# Altium PCB AUAV_X05.PcbDoc (part 3 of 5)
Units mm, origin at the board's own origin, x right, y up, seen from the top; angles counter-clockwise.
Board outline 44.99 x 99.99 mm, 4 copper layers (Top Layer, Int1 Layer, Int2 Layer, Bottom Layer), stack 1.587 mm thick; 376 components, 270 nets, 1466 pads, 1242 vias.
Unrouted connection lines stored in the file: 2.
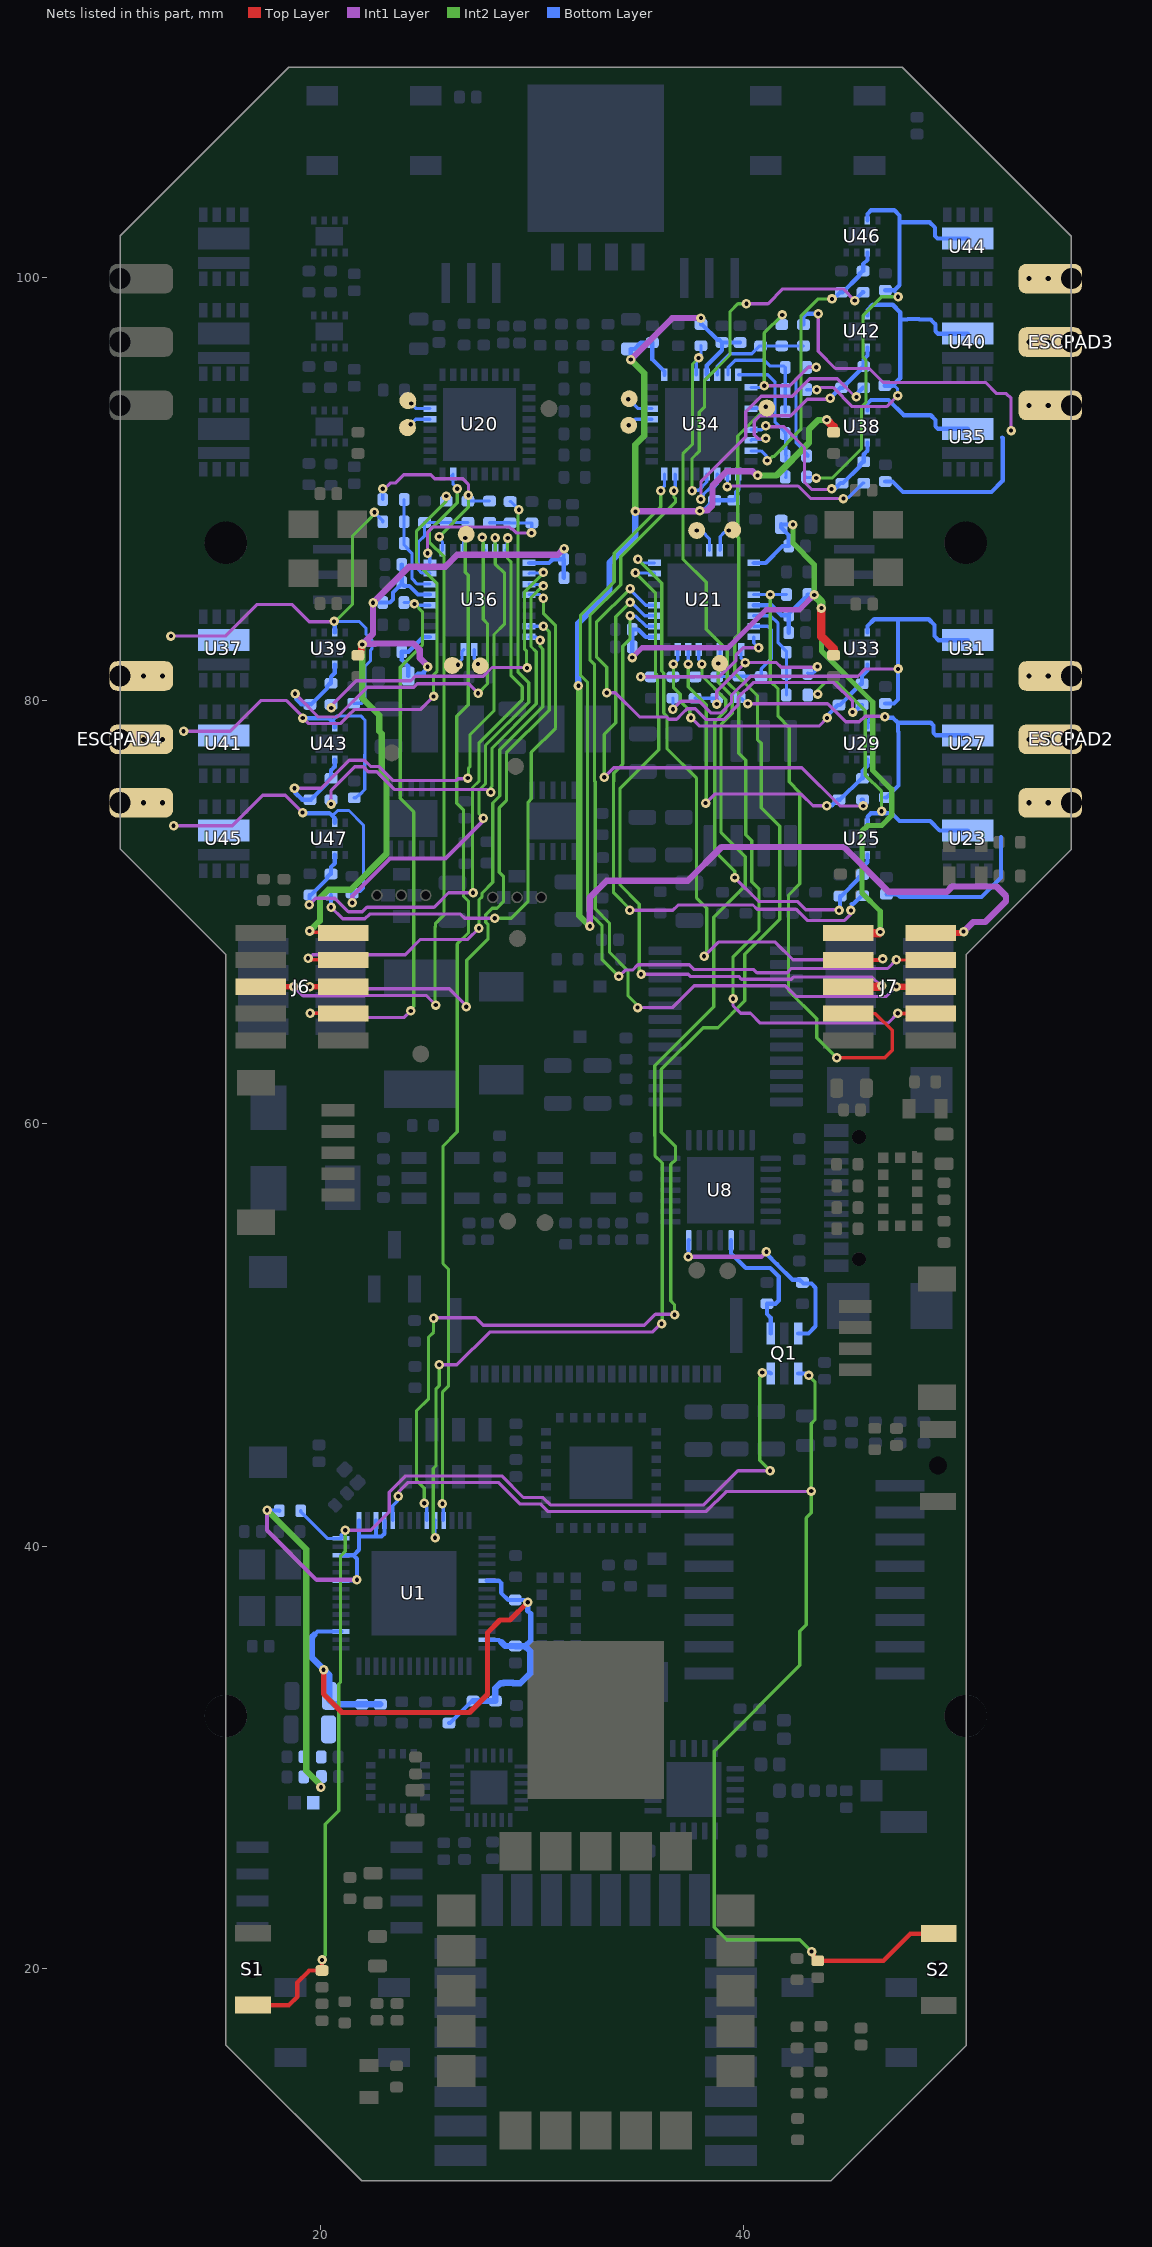
[diagram p5: the nets of this part, all layers, seen from the top]

## Via types
v1: diameter 0.45, hole 0.2, Top Layer to Bottom Layer, tented both sides, 1213 vias
v2: diameter 0.5, hole 0.25, Top Layer to Bottom Layer, 24 vias
v3: diameter 0.45, hole 0.2, Top Layer to Bottom Layer, 5 vias

## Nets (pads, with @x,y where several pads share a name; then routed paths per layer and width w, separated by ;. In a path a pad name is that pad's centre, name@x,y a point inside that pad or via, vN(x,y) a via of type N, cw(c..) or ccw(c..) an arc to the next point about the centre after c; other vN are vias at no path point) (continued)
ESC1_STM_SWDIO: J6.5 U20.23 | length 35
  Top Layer w0.25: J6.5@17.175,66.463 17.177,66.466 v1(18.744,66.466)
  Int1 Layer w0.153: v1(18.744,66.466) 19.173,66.037 22.08,66.037 22.093,66.05 25.001,66.05 v1(25.453,65.598)
  Int2 Layer w0.153: v1(25.453,65.598) 25.425,65.626 25.425,69.307 25.446,69.328 25.446,69.463 25.851,69.868 25.851,86.799 25.15,87.5 25.15,88.025 26.475,89.35 v1(26.475,90.025)
  Bottom Layer w0.153: U20.23@26.199,90.638 U20.23@26.275,90.713 26.275,90.225 v1(26.475,90.025)
ESC1_STM_UARTRX: TP14.1 U20.30 | length 1
  Bottom Layer w0.153: v1(24.3,94.05) 24.536,93.814 U20.30@25.175,93.814
ESC1_STM_UARTTX: TP12.1 U20.29 | length 1
  Bottom Layer w0.153: v1(24.275,93.075) 24.514,93.314 U20.29@25.175,93.314
ESC2_3V3: C103.P$1 C104.P$1 C105.P$1 C106.P$1 C107.P$1 C108.P$1 J7.2 R111.P$2 R119.P$1 U34.1 U34.5 U34.17 | length 83.7
  Top Layer w0.3: J7.2@48.875,69.003 50.326,69.003 50.398,69.075 v1(50.425,69.075)
  Top Layer w0.4: v1(43.95,93.275) 44.275,92.95 R119.P$1@44.275,92.7
  Int1 Layer w0.3: v1(32.747,69.322) 32.747,70.682 33.542,71.477 37.377,71.477 38.975,73.075 44.76,73.075 44.917,72.918 46.871,70.963 49.639,70.963 49.878,71.202 51.982,71.202 52.43,70.754 52.43,70.505 51.45,69.525 50.875,69.525 v1(50.425,69.075) ; v1(34.675,96.134) 36.638,98.096 v1(38,98.096) ; v1(34.9,88.95) 34.912,88.962 37.931,88.962 37.962,88.994 38.294,88.994 38.55,89.25 38.55,90.172 39.228,90.85 40.437,90.85 40.637,90.65 v1(40.677,90.65)
  Int2 Layer w0.3: v1(32.204,80.7) 32.233,80.671 32.233,80.565 32.25,80.548 32.25,69.818 v1(32.747,69.322) ; v1(34.675,96.134) 35.325,95.484 35.325,92.525 34.9,92.1 v1(34.9,88.95) ; v1(40.677,90.65) 41.575,90.65 43.115,92.19 43.115,92.835 43.555,93.275 v1(43.95,93.275)
  Bottom Layer w0.2: v1(34.675,96.134) C103.P$1@34.675,96.638 34.856,96.638 35.156,96.939 C107.P$1@35.7,96.939 35.7,96.14 36.275,95.566 U34.1@36.275,95.413 ; v1(38,98.096) R111.P$2@38,97.796 38.051,97.796 38.772,97.076 38.863,97.076 C105.P$1@39,96.939 ; v1@38.137,89.013 38.599,89.475 C104.P$1@38.65,89.475 C108.P$1@39.55,89.475 39.667,89.592 39.667,89.867 39.776,89.976 U34.17@39.776,90.713 ; U34.5@38.275,95.413 38.275,95.85 39,96.575 C105.P$1@39,96.939 ; C106.P$1@39.85,96.939 C105.P$1@39,96.939
  Bottom Layer w0.3: v1(32.204,80.7) 32.204,83.654 32.675,84.125 33.675,85.125 33.675,86.525 34.9,87.75 v1(34.9,88.95)
  other v1: 37.943,88.975
ESC2_COM: R136.P$1 R137.P$1 R140.P$1 U34.9 | length 12.1
  Int1 Layer w0.153: v1(41,94.9) 42.2,94.9 43.075,95.775 v1(43.454,95.775)
  Int2 Layer w0.153: v1(41,94.9) 41,97.392 41.848,98.24 v1(41.848,98.242)
  Bottom Layer w0.153: U34.9@40.375,94.814 v1@40.847,94.814 ; R140.P$1@43,91.575 43.007,91.568 43.05,91.568 R140.P$1@43.07,91.549 ; R140.P$1@43.05,91.588 43.05,91.639 42.5,92.19 42.5,95.212 43.057,95.769 43.449,95.769 v1(43.454,95.775)
ESC2_HIPWM1: R117.P$1 U34.18 | length 7.6
  Int1 Layer w0.153: v1(39.25,90.126) 39.276,90.152 42.598,90.152 43.191,89.559 v1(44.743,89.559)
  Bottom Layer w0.153: v1(39.25,90.126) 39.263,90.139 39.263,90.701 U34.18@39.276,90.713 ; v1(44.743,89.559) 44.791,89.607 44.968,89.607 45.649,90.289 R117.P$1@45.7,90.289
ESC2_HIPWM2: R123.P$1 U34.19 | length 13.5
  Int1 Layer w0.153: v1(37.993,89.525) 38.008,89.54 38.008,90.369 40.125,92.486 40.125,93.675 40.85,94.4 42.325,94.4 43.15,95.225 44.45,95.225 45.312,94.363 v1(45.355,94.363)
  Bottom Layer w0.153: v1(37.993,89.525) 37.993,89.592 38.116,89.715 38.116,89.749 38.442,90.075 38.6,90.075 38.775,90.25 U34.19@38.775,90.713
  Bottom Layer w0.2: v1(45.355,94.363) 45.403,94.411 45.403,94.539 45.664,94.8 R123.P$1@45.7,94.8
ESC2_HIPWM3: R133.P$1 U34.20 | length 17.6
  Int1 Layer w0.153: v1(40.15,98.775) 41.175,98.775 41.875,99.475 44.725,99.475 45.275,98.925 v1(45.277,98.925)
  Int2 Layer w0.153: v1(37.579,89.925) 37.579,91.454 37.925,91.8 37.925,93.65 38.175,93.9 38.175,95.15 39.375,96.35 39.375,98.4 39.75,98.775 v1(40.15,98.775)
  Bottom Layer w0.153: v1(37.579,89.925) 37.608,89.954 37.889,89.954 38.275,90.34 U34.20@38.275,90.713
  Bottom Layer w0.2: v1(45.277,98.925) 45.277,98.951 45.639,99.313 R133.P$1@45.675,99.313
ESC2_LOPWM1: R113.P$1 R117.P$2 U34.13 U38.2 | length 9.2
  Int1 Layer w0.153: v1(41.071,93.005) 41.126,92.95 41.925,92.95 42.9,91.975 42.9,90.325 43.239,89.986 44.151,89.986 v1(44.178,90.013)
  Bottom Layer w0.153: U34.13@40.375,92.813 40.868,92.813 41.059,93.005 v1(41.071,93.005)
  Bottom Layer w0.2: v1(44.178,90.013) 44.211,90.046 44.367,90.046 44.61,90.289 44.726,90.289 45.512,91.075 45.512,91.145 45.664,91.297 R117.P$2@45.7,91.297 45.7,91.65 45.875,91.825 U38.2@45.875,92.205
ESC2_LOPWM2: R121.P$1 R123.P$2 U34.14 U42.2 | length 9.3
  Int1 Layer w0.153: v1(41.071,92.402) 41.041,92.373 40.726,92.373 40.525,92.574 40.525,93.225 40.775,93.475 42.25,93.475 43.027,94.252 44.061,94.252 v1(44.118,94.309)
  Bottom Layer w0.153: U34.14@40.375,92.313 40.42,92.358 41.026,92.358 v1(41.071,92.402)
  Bottom Layer w0.2: v1(44.118,94.309) 44.118,94.314 44.604,94.8 44.701,94.8 45.512,95.611 45.512,95.656 45.664,95.808 R123.P$2@45.7,95.808 45.7,96.15 45.875,96.325 U42.2@45.875,96.705
ESC2_LOPWM3: R129.P$1 R133.P$2 U34.15 U46.2 | length 13.4
  Int2 Layer w0.153: v1(41.142,91.356) 41.187,91.356 41.377,91.546 41.447,91.546 42.729,92.828 42.729,98.179 43.554,99.004 v1(44.201,99.004)
  Bottom Layer w0.153: U34.15@40.375,91.813 40.847,91.813 41.085,91.576 41.085,91.413 v1(41.142,91.356)
  Bottom Layer w0.2: v1(44.201,99.004) 44.239,99.042 44.314,99.042 44.585,99.313 44.701,99.313 45.487,100.099 45.487,100.169 45.639,100.321 R133.P$2@45.675,100.321 45.675,100.65 45.875,100.85 U46.2@45.875,101.205
ESC2_MOUT1: R125.P$2 R135.P$2 R136.P$2 U34.6 | length 4.9
  Bottom Layer w0.153: U34.6@38.775,95.413 38.775,95.825 39.355,96.405 40.399,96.405 40.774,96.78 R136.P$2@41.825,96.78 R125.P$2@42.85,96.78
ESC2_MOUT2: R127.P$2 R137.P$2 R138.P$2 U34.7 | length 5.4
  Bottom Layer w0.153: U34.7@39.276,95.413 39.276,95.751 39.625,96.1 41,96.1 41.275,95.825 41.931,95.825 R137.P$2@41.992,95.763 R127.P$2@41.992,94.713 R138.P$2@41.992,93.663
ESC2_MOUT3: R130.P$2 R139.P$2 R140.P$2 U34.8 | length 6.6
  Bottom Layer w0.153: U34.8@39.776,95.413 41.162,95.413 41.25,95.325 41.509,95.066 41.509,93.172 41.992,92.689 R139.P$2@41.992,92.638 42.017,92.614 42.017,91.613 42.042,91.588 42.03,91.576 42.03,90.576 R130.P$2@42.017,90.563
ESC2_OUT1: C101.P$2 ESCPAD3.1 R125.P$1 U35.9 U38.7 | length 28.4
  Int1 Layer w0.153: v1(43.55,98.3) 43.55,96.525 44.363,95.712 45.963,95.712 46.625,95.05 51.475,95.05 52,94.525 52.45,94.525 52.675,94.3 v1(52.675,92.775)
  Bottom Layer w0.2: R125.P$1@42.85,97.788 42.836,97.803 42.836,98.141 42.995,98.3 v1(43.55,98.3) ; U38.7@45.875,93.722 45.875,94.05 46.05,94.225 46.875,94.225 47.6,93.5 48.875,93.5 49.1,93.275 49.1,92.974 49.217,92.857 U35.9@50.625,92.857 ; C101.P$2@46.725,90.363 47.063,90.363 47.554,89.873 51.748,89.873 52.275,90.4 52.275,92.425 52.25,92.45
  other v2: 53.525,93.964 54.425,93.964
ESC2_OUT2: C115.P$2 ESCPAD3.2 R127.P$1 U40.9 U42.7 | length 15.3
  Int1 Layer w0.153: v1(43.479,94.706) 43.54,94.706 43.653,94.818 44.25,94.818 45.159,93.909 46.784,93.909 v1(47.307,94.432)
  Bottom Layer w0.153: R127.P$1@43,94.713 43.004,94.71 43.475,94.71 v1(43.479,94.706) ; 47.082,94.9 47.15,94.9 47.3,94.75 47.3,94.44 v1(47.307,94.432)
  Bottom Layer w0.2: U42.7@45.875,98.222 45.875,98.475 46.125,98.725 47.075,98.725 47.425,98.375 47.425,98.025 ; C115.P$2@46.7,94.9 47.075,94.9 47.425,95.25 47.425,98.025 ; U40.9@50.625,97.357 49.218,97.357 49.1,97.475 49.1,97.8 48.869,98.031 48.336,98.031 48.311,98.056 47.792,98.056 47.761,98.025 47.425,98.025
  other v2: 53.525,96.964 54.425,96.964
ESC2_OUT3: C117.P$2 ESCPAD3.3 R130.P$1 U44.9 U46.7 | length 21.9
  Int2 Layer w0.153: v1(43.454,90.526) 44.201,90.526 45.6,91.925 45.6,93.9 45.809,94.109 45.809,96.096 45.671,96.234 45.671,98.221 46.552,99.102 v1(47.324,99.102)
  Bottom Layer w0.153: R130.P$1@43,90.575 43.024,90.551 43.43,90.551 v1(43.454,90.526) ; 47.163,99.413 47.163,99.331 47.324,99.169 v1(47.324,99.102)
  Bottom Layer w0.2: U46.7@45.875,102.722 45.875,103.025 46.05,103.2 47.15,103.2 47.4,102.95 47.4,102.625 ; C117.P$2@46.725,99.413 47.163,99.413 47.4,99.65 47.4,102.625 ; U44.9@50.625,101.857 49.192,101.857 49.075,101.974 49.075,102.375 48.825,102.625 47.4,102.625
  other v2: 53.525,99.964 54.425,99.964
ESC2_PWM: TP16.1 U1.9 U34.11 | length 70.3
  Int1 Layer w0.153: v1(25.35,50.775) 25.375,50.8 27.35,50.8 27.7,50.45 35.325,50.45 35.846,50.97 36.73,50.97 v1(36.75,50.95)
  Int2 Layer w0.153: v1(24.911,42.025) 24.914,42.027 24.914,42.736 24.541,43.109 24.541,46.391 25.116,46.966 25.116,49.892 25.35,50.125 v1(25.35,50.775) ; v1(36.75,50.95) 36.75,51.425 36.575,51.6 36.575,58.057 36.8,58.282 36.8,58.9 36.125,59.575 36.125,62.55 38.1,64.525 38.809,64.525 40.075,65.791 40.075,68.004 41.725,69.654 41.725,74.057 40.849,74.933 40.849,77.977 40.675,78.151 40.675,80.225 39.6,81.3 39.6,82.95 39.792,83.142 39.792,87.683 39.746,87.728 39.746,92.518 41.069,93.841 v1(41.069,93.904)
  Bottom Layer w0.153: v1(24.911,42.025) 24.914,42.023 24.914,41.958 25.025,41.847 U1.9@25.025,41.209 ; U34.11@40.375,93.814 40.39,93.829 40.993,93.829 v1(41.069,93.904)
ESC2_STM_NRST: J7.8 R111.P$1 U34.4 | length 44.3
  Top Layer w0.2: v1(47.31,65.203) 47.32,65.193 J7.8@48.875,65.193
  Int1 Layer w0.153: v1(39.521,65.9) 39.519,65.898 39.519,65.573 39.882,65.21 40.345,65.21 40.81,64.745 46.851,64.745 v1(47.31,65.203)
  Int2 Layer w0.153: v1(37.888,96.213) 37.6,95.925 37.6,92.118 37.15,91.668 37.15,86.7 38.25,85.6 38.25,83.375 39.25,82.375 39.25,80.875 39.79,80.335 39.79,77.51 40.12,77.18 40.12,73.649 40.4,73.368 40.4,71.425 40.75,71.075 40.75,69.111 39.521,67.882 v1(39.521,65.9)
  Bottom Layer w0.153: U34.4@37.775,95.413 37.775,96.1 v1(37.888,96.213) 38,96.325 R111.P$1@38,96.789
ESC2_STM_SWCLK: J7.4 U34.24 | length 41.6
  Top Layer w0.153: v1(47.248,67.743) 47.31,67.743 47.32,67.733 J7.4@48.875,67.733
  Int1 Layer w0.153: v1(34.117,66.95) 34.419,67.252 34.763,67.252 35.018,67.507 37.443,67.507 37.675,67.275 40.5,67.275 40.65,67.125 42.075,67.125 42.275,67.325 46.829,67.325 v1(47.248,67.743)
  Int2 Layer w0.153: v1(34.117,66.95) 33.325,67.742 33.325,69.35 32.633,70.042 32.633,80.878 32.3,81.21 32.3,84.025 33.9,85.625 33.9,86.975 36.1,89.175 v1(36.1,89.925)
  Bottom Layer w0.153: v1(36.1,89.925) 36.1,89.966 36.275,90.141 U34.24@36.275,90.713
ESC2_STM_SWDIO: J7.6 U34.23 | length 42.6
  Top Layer w0.3: v1(47.248,66.473) 47.253,66.468 48.87,66.468 J7.6@48.875,66.463
  Int1 Layer w0.153: v1(35,65.475) 36.65,65.475 37.689,66.514 41.986,66.514 42.5,66 46.774,66 v1(47.248,66.473)
  Int2 Layer w0.153: v1(35,65.475) 35,65.593 34.546,66.047 34.546,67.229 33.675,68.1 33.675,69.475 33,70.15 33,76.158 32.971,76.187 32.971,81.704 32.75,81.925 32.75,84.025 34.205,85.48 34.205,86.805 36.8,89.4 36.8,89.553 36.721,89.632 v1(36.721,89.925)
  Bottom Layer w0.153: v1(36.721,89.925) 36.787,89.991 36.787,90.701 U34.23@36.775,90.713
ESC2_STM_UARTRX: TP20.1 U34.30 | length 1.3
  Bottom Layer w0.153: v1(34.563,94.255) 34.587,94.255 35.028,93.814 U34.30@35.675,93.814
ESC2_STM_UARTTX: TP18.1 U34.29 | length 1.2
  Bottom Layer w0.153: v1(34.585,93.023) 34.875,93.314 U34.29@35.675,93.314
ESC3_3V3: C87.P$1 C88.P$1 C89.P$1 C90.P$1 C91.P$1 C92.P$1 J7.1 R74.P$2 R82.P$1 U21.1 U21.5 U21.17 | length 47
  Top Layer w0.4: v1(43.7,84.375) 43.7,83.025 44.275,82.45 R82.P$1@44.275,82.15 ; J7.1@44.975,69.003 46.434,69.003 v1(46.485,69.054)
  Int1 Layer w0.25: v1(34.75,82.034) 35.216,82.5 39.275,82.5 41.075,84.3 42.658,84.3 v1(43.358,85)
  Int2 Layer w0.25: v1(42.352,88.325) 42.352,87.448 43.358,86.442 v1(43.358,85) ; v1(43.7,84.375) 43.7,82.35 46.129,79.921 46.129,76.696 47.023,75.802 47.023,74.565 46.553,74.095 45.895,74.095 45.625,73.825 45.625,70.894 46.485,70.034 v1(46.485,69.054)
  Int2 Layer w0.4: v1(43.358,85) 43.7,84.658 v1(43.7,84.375)
  Bottom Layer w0.2: v1(34.75,82.034) C91.P$1@34.75,82.538 C92.P$1@34.75,83.363 35.037,83.363 35.387,83.013 U21.17@35.8,83.013 ; U21.5@40.5,84.513 41.337,84.513 41.812,84.038 C89.P$1@42.15,84.038 ; U21.1@40.5,86.514 41.064,86.514 41.863,87.313 C88.P$1@42.15,87.313 42.15,87.836 41.8,88.186 C87.P$1@41.8,88.262 ; C87.P$1@41.8,88.339 C87.P$1@41.8,88.262 ; C90.P$1@42.15,83.213 C89.P$1@42.15,84.038 ; v1(42.352,88.325) 41.863,88.325 C87.P$1@41.8,88.262 ; v1(43.358,85) 43.352,85.007 43.065,85.007 R74.P$2@43.058,85.013 43.058,84.977 42.906,84.825 42.886,84.825 42.15,84.089 C89.P$1@42.15,84.038
ESC3_COM: R104.P$1 R105.P$1 R108.P$1 U21.9 | length 8.7
  Int1 Layer w0.153: v1(38.75,79.837) 38.75,80.45 40.099,81.799 v1(40.102,81.799) ; v1@40.1,81.8 41.575,81.8 41.794,81.581 43.482,81.581 v1(43.51,81.609)
  Bottom Layer w0.153: R108.P$1@37.725,80.113 R105.P$1@38.75,80.113 v1(38.75,79.837) ; U21.9@39.901,82.413 39.901,81.999 v1(40.102,81.799) v1(40.102,81.799) ; R104.P$1@43.05,81.288 43.057,81.282 43.301,81.282 43.381,81.362 43.381,81.399 43.51,81.529 v1(43.51,81.609)
ESC3_HIPWM1: R80.P$1 U21.18 | length 27.8
  Int1 Layer w0.153: v1(34.633,70.079) 36.667,70.079 36.918,70.329 40.464,70.329 40.668,70.125 42.5,70.125 43.025,69.6 44.798,69.6 45.061,69.863 45.061,70.035 v1(45.097,70.071)
  Int2 Layer w0.153: v1(34.633,70.079) 34.633,70.142 33.87,70.905 33.87,76.178 33.879,76.187 33.879,76.568 34.305,76.994 34.305,82.58 34.65,82.925 v1(34.65,84.021)
  Bottom Layer w0.153: v1(34.65,84.021) 34.675,83.995 34.926,83.995 35.409,83.513 U21.18@35.8,83.513
  Bottom Layer w0.2: 45.135,70.371 45.207,70.371 45.599,70.764 R80.P$1@45.65,70.764
ESC3_HIPWM2: R86.P$1 U21.19 | length 23.7
  Int1 Layer w0.153: v1(33.425,76.375) 33.875,76.825 42.775,76.825 44.585,75.015 v1(45.681,75.015)
  Int2 Layer w0.153: v1(33.425,76.375) 33.425,78.4 33.975,78.95 33.975,83.975 v1(34.647,84.647)
  Bottom Layer w0.153: v1(34.647,84.647) 34.707,84.647 35.34,84.013 U21.19@35.8,84.013
  Bottom Layer w0.2: R86.P$1@45.606,75.313 R86.P$1@45.65,75.313 45.666,75.298 45.666,75.03 v1(45.681,75.015)
ESC3_HIPWM3: R96.P$1 U21.20 | length 22.3
  Int1 Layer w0.152: v1(33.546,80.375) 33.95,80.375 35.1,79.225 36.375,79.225 36.485,79.115 36.849,79.115 37.1,79.366 37.351,79.617 37.732,79.617 38.25,79.1 39.075,79.1 39.75,79.775 39.75,80.125 40.475,80.85 44.29,80.85 45.173,79.967 v1(45.173,79.459)
  Int2 Layer w0.153: v1(33.546,80.375) 33.546,81.579 33.055,82.07 33.055,83.705 v1(34.65,85.3)
  Bottom Layer w0.153: v1(34.65,85.3) 34.65,85.25 35.387,84.513 U21.20@35.8,84.513
  Bottom Layer w0.2: v1(45.173,79.459) 45.211,79.498 45.284,79.498 45.574,79.789 R96.P$1@45.625,79.789
ESC3_LOPWM1: R76.P$1 R80.P$2 U21.13 U25.2 | length 20.8
  Int1 Layer w0.153: v1(39.6,71.625) 40.725,70.5 42.563,70.5 42.963,70.1 44.471,70.1 44.5,70.071 v1(44.538,70.071)
  Int2 Layer w0.153: v1(38.05,81.725) 38.05,81.175 39.179,80.046 39.179,79.529 38.65,79 38.65,72.875 39.6,71.925 v1(39.6,71.625)
  Bottom Layer w0.153: U21.13@37.9,82.413 37.9,81.942 38.05,81.792 v1(38.05,81.725)
  Bottom Layer w0.2: v1(44.538,70.071) 44.575,70.108 R76.P$1@44.575,70.739 44.626,70.739 45.462,71.575 45.462,71.62 45.614,71.772 R80.P$2@45.65,71.772 45.65,72.125 45.875,72.35 U25.2@45.875,72.705
ESC3_LOPWM2: R84.P$1 R86.P$2 U21.14 U29.2 | length 17
  Int1 Layer w0.153: v1(38.221,75.15) 38.646,75.575 42.75,75.575 43.301,75.024 v1(43.949,75.024)
  Int2 Layer w0.153: v1(37.4,81.725) 37.4,80.65 38.247,79.803 38.247,75.176 v1(38.221,75.15)
  Bottom Layer w0.153: v1(37.4,81.725) U21.14@37.4,82.413
  Bottom Layer w0.2: v1(43.949,75.024) 43.979,75.054 44.215,75.054 44.474,75.313 44.584,75.313 45.592,76.321 R86.P$2@45.65,76.321 45.65,76.675 45.875,76.9 U29.2@45.875,77.204
ESC3_LOPWM3: R92.P$1 R96.P$2 U21.15 U33.2 | length 13.8
  Int1 Layer w0.153: v1(37.529,79.189) 37.55,79.189 37.944,78.795 43.586,78.795 v1(43.971,79.179)
  Int2 Layer w0.153: v1(36.7,81.728) 36.7,80.625 37.025,80.3 37.025,79.977 37.495,79.508 37.474,79.487 37.474,79.36 37.481,79.352 37.481,79.236 v1(37.529,79.189)
  Bottom Layer w0.153: v1(36.7,81.728) 36.9,81.928 U21.15@36.9,82.413
  Bottom Layer w0.2: v1(43.971,79.179) 44.009,79.218 44.009,79.323 44.474,79.789 44.571,79.789 45.579,80.797 R96.P$2@45.625,80.797 45.625,81.175 45.875,81.425 U33.2@45.875,81.705
ESC3_MOUT1: R88.P$2 R103.P$2 R104.P$2 U21.6 | length 4.8
  Bottom Layer w0.153: U21.6@40.5,84.013 41.287,84.013 41.65,83.65 41.65,82.732 42.042,82.339 R103.P$2@42.042,82.288 R104.P$2@42.042,81.288 R88.P$2@42.042,80.263
ESC3_MOUT2: R90.P$2 R105.P$2 R106.P$2 U21.7 | length 5.4
  Bottom Layer w0.153: R105.P$2@38.75,81.121 38.762,81.134 39.787,81.134 R90.P$2@39.8,81.146 R106.P$2@40.85,81.146 40.85,81.5 41.325,81.975 41.325,83.35 41.162,83.513 U21.7@40.5,83.513
ESC3_MOUT3: R94.P$2 R107.P$2 R108.P$2 U21.8 | length 9.5
  Int1 Layer w0.153: v1(35.145,81.125) 38.875,81.125 39.663,81.913 39.663,82.163 40,82.5 v1(40.725,82.5)
  Bottom Layer w0.153: v1(35.145,81.125) 35.147,81.123 R107.P$2@35.65,81.121 R107.P$2@35.65,81.121 R94.P$2@36.675,81.121 R108.P$2@37.725,81.121 ; U21.8@40.5,83.013 40.5,82.725 v1(40.725,82.5)
ESC3_OUT1: C80.P$2 ESCPAD2.1 R88.P$1 U23.9 U25.7 | length 21.4
  Int2 Layer w0.153: v1(43.529,80.31) 43.551,80.332 43.551,80.526 43.881,80.856 44.444,80.856 44.525,80.775 45.775,79.525 45.775,76.475 46.546,75.704 v1(46.546,74.763)
  Bottom Layer w0.2: U25.7@45.875,74.223 45.875,74.508 46.033,74.666 47.034,74.666 47.4,74.3 48.85,74.3 49.293,73.857 U23.9@50.625,73.857 ; C80.P$2@46.775,70.839 47.288,70.839 47.424,70.702 51.277,70.702 52.2,71.625 52.2,73.55
  other v2: 53.525,75.164 54.425,75.164
ESC3_OUT2: C94.P$2 ESCPAD2.2 R90.P$1 U27.9 U29.7 | length 16.4
  Int1 Layer w0.153: v1(40.219,79.856) 43.994,79.856 44.6,79.25 44.85,79 45.5,79 45.765,79.265 46.67,79.265 v1(46.703,79.232)
  Bottom Layer w0.153: R90.P$1@39.8,80.138 39.878,80.138 40.16,79.856 v1(40.219,79.856)
  Bottom Layer w0.2: U29.7@45.875,78.722 45.875,79 46.075,79.2 ; v1(46.703,79.232) 46.75,79.184 47.091,79.184 47.325,78.95 ; C94.P$2@46.725,75.413 46.776,75.413 47.343,75.98 47.343,78.522 47.325,78.54 47.325,78.95 ; U27.9@50.625,78.358 49.117,78.358 49,78.475 49,78.825 48.875,78.95 47.325,78.95
  other v2: 53.525,78.164 54.425,78.164
ESC3_OUT3: C96.P$2 ESCPAD2.3 R94.P$1 U31.9 U33.7 | length 23
  Int1 Layer w0.153: v1(36.674,79.589) 37.052,79.967 37.922,79.967 38.481,79.408 38.928,79.408 39.445,79.925 39.445,80.251 40.349,81.155 45.43,81.155 45.775,81.5 v1(47.325,81.5)
  Bottom Layer w0.153: v1(36.674,79.589) R94.P$1@36.675,80.113
  Bottom Layer w0.2: U33.7@45.875,83.223 45.875,83.525 46.2,83.85 47.275,83.85 ; C96.P$2@46.725,79.864 47.133,79.864 47.325,80.056 v1(47.325,81.5) 47.325,83.8 47.275,83.85 ; U31.9@50.625,82.857 49.243,82.857 49.05,83.05 49.05,83.575 48.775,83.85 47.275,83.85
  other v2: 53.525,81.164 54.425,81.164
ESC3_PWM: TP11.1 U1.10 U21.11 | length 55.3
  Int1 Layer w0.153: v1(25.625,48.575) 26.45,48.575 28,50.125 35.699,50.125 36.07,50.496 36.115,50.496 v1(36.135,50.516)
  Int2 Layer w0.153: v1(25.425,40.4) 25.378,40.447 25.378,40.576 25.34,40.613 25.34,43.673 25.465,43.797 25.465,46.509 25.461,46.513 25.461,47.428 25.625,47.593 v1(25.625,48.575) ; v1(36.135,50.516) 36.175,50.556 36.175,58.125 35.825,58.475 35.825,59.407 35.82,59.412 35.82,62.72 38.606,65.506 38.606,69.756 40.095,71.245 40.095,72.618 38.955,73.757 38.955,78.873 39.484,79.402 39.484,80.209 38.821,80.872 v1(38.821,81.757)
  Bottom Layer w0.153: v1(25.425,40.4) U1.10@25.425,41.209 U1.10@25.438,41.221 ; v1(38.821,81.757) 38.9,81.836 U21.11@38.9,82.413
ESC3_STM_NRST: J7.7 R74.P$1 U21.4 | length 31.3
  Top Layer w0.153: v1(44.425,63.1) 46.7,63.1 47.05,63.45 47.05,64.4 46.257,65.193 J7.7@44.975,65.193
  Int2 Layer w0.153: v1(41.275,85.014) 41.275,80.925 41.65,80.55 41.65,79.25 42.175,78.725 42.175,76.153 42.68,75.648 42.68,71.33 42.142,70.792 42.142,66.283 43.475,64.95 43.475,64.05 v1(44.425,63.1)
  Bottom Layer w0.153: U21.4@40.5,85.014 v1(41.275,85.014) R74.P$1@42.05,85.013
ESC3_STM_SWCLK: J7.3 U21.24 | length 31.8
  Top Layer w0.2: J7.3@44.975,67.733 46.554,67.733 v1(46.599,67.779)
  Int1 Layer w0.153: v1(38.152,67.9) 38.827,68.575 41.525,68.575 42.357,67.743 46.564,67.743 v1(46.599,67.779)
  Int2 Layer w0.153: v1(35.018,86.682) 36.15,85.55 36.15,81.4 36.245,81.305 36.245,79.411 36.395,79.262 36.395,77.715 37.792,76.317 37.792,70.658 38.275,70.175 38.275,68.09 38.152,67.967 v1(38.152,67.9)
  Bottom Layer w0.153: v1(35.018,86.682) 35.186,86.514 U21.24@35.8,86.514
ESC3_STM_SWDIO: J7.5 U21.23 | length 34.9
  Top Layer w0.4: J7.5@44.975,66.463 46.524,66.463 v1(46.564,66.504)
  Int1 Layer w0.153: v1(35.169,67.052) 37.398,67.052 37.5,66.95 39.786,66.95 39.916,66.82 42.27,66.82 42.375,66.925 46.084,66.925 46.505,66.504 v1(46.564,66.504)
  Int2 Layer w0.153: v1(34.9,86.05) 35.845,85.105 35.845,81.274 35.94,81.178 35.94,79.285 36.004,79.221 36.004,77.679 34.175,75.85 34.175,71.275 35.087,70.363 35.087,67.189 35.169,67.107 v1(35.169,67.052)
  Bottom Layer w0.153: v1(34.9,86.05) 34.918,86.032 35.782,86.032 U21.23@35.8,86.014
ESC3_STM_UARTRX: TP15.1 U21.30 | length 1.2
  Bottom Layer w0.153: U21.30@38.9,87.113 38.914,87.127 38.914,87.765 39.107,87.957 39.155,87.957 39.25,88.052 v1(39.317,88.052)
ESC3_STM_UARTTX: TP13.1 U21.29 | length 1.3
  Bottom Layer w0.153: v1(37.8,88.052) 37.848,88.005 38.056,88.005 38.4,87.66 U21.29@38.4,87.113
ESC4_3V3: C109.P$1 C110.P$1 C111.P$1 C112.P$1 C113.P$1 C114.P$1 J6.2 R112.P$2 R120.P$1 U36.1 U36.5 U36.17 | length 45.6
  Top Layer w0.153: v1(19.486,69.1) 19.544,69.042 21.037,69.042 J6.2@21.075,69.003
  Top Layer w0.3: R120.P$1@21.775,82.15 21.826,82.15 21.93,82.254 21.93,82.568 21.98,82.618 v1(21.98,82.658)
  Int1 Layer w0.3: v1(21.98,82.658) 22.488,83.167 v1(22.488,84.625) 24.188,86.325 25.9,86.325 26.475,86.9 31.232,86.9 v1(31.525,87.193) ; v1@22.026,82.705 22.043,82.687 22.589,82.687 22.607,82.705 24.395,82.705 24.698,82.402 24.698,82.013 25.066,81.644 v1(25.066,81.604)
  Int2 Layer w0.3: v1(19.486,69.1) 19.975,69.589 19.975,70.65 20.375,71.05 21.425,71.05 23.125,72.75 23.125,76.273 22.9,76.498 22.9,78.427 22.775,78.552 22.775,79.309 21.98,80.104 v1(21.98,82.658)
  Bottom Layer w0.2: v1(22.488,84.625) 22.502,84.638 R112.P$2@22.942,84.638 23.283,84.638 23.43,84.786 23.43,85.118 C111.P$1@23.85,85.538 ; C112.P$1@23.85,86.438 C111.P$1@23.85,85.588 C111.P$1@23.85,85.538 ; C109.P$1@24.15,81.163 24.15,81.625 23.85,81.925 C110.P$1@23.85,82.313 24.163,82.313 24.863,83.013 U36.1@25.175,83.013 ; 24.495,81.163 24.617,81.285 24.885,81.285 24.885,81.356 25.066,81.536 v1(25.066,81.604) ; U36.5@25.175,85.014 24.611,85.014 24.204,85.421 23.967,85.421 C111.P$1@23.85,85.538 ; U36.17@29.875,86.514 30.814,86.514 30.988,86.688 C113.P$1@31.5,86.688 ; C114.P$1@31.525,85.813 31.513,85.826 31.513,86.676 C113.P$1@31.5,86.688 ; v1(31.525,87.193) 31.5,87.169 C113.P$1@31.5,86.688
ESC4_COM: R142.P$1 R143.P$1 R146.P$1 U36.9 | length 10.1
  Int1 Layer w0.153: v1(22.95,90.018) 23.03,90.018 23.304,90.292 23.541,90.292 23.935,90.685 25.214,90.685 25.405,90.495 26.73,90.495 27,90.225 v1(27,89.715)
  Int2 Layer w0.153: v1(25.621,87.76) 27,89.139 v1(27,89.715)
  Bottom Layer w0.153: R142.P$1@22.95,89.514 v1(22.95,90.018) ; v1(25.621,87.76) 25.621,87.659 25.775,87.505 U36.9@25.775,87.113 ; v1(27,89.715) 26.975,89.69 R143.P$1@26.975,89.438 R146.P$1@28,89.438
ESC4_HIPWM1: R118.P$1 U36.18 | length 15.9
  Int1 Layer w0.153: v1(20.507,79.654) 20.507,79.721 20.606,79.82 20.606,79.856 21.69,80.94 24.283,80.94 24.493,81.15 27.7,81.15 28.116,81.566 29.616,81.566 29.636,81.546 v1(29.778,81.546)
  Int2 Layer w0.153: v1(29.778,81.546) 29.752,81.572 29.752,82.336 29.656,82.431 29.656,85.143 30.546,86.033 v1(30.546,86.062)
  Bottom Layer w0.153: R118.P$1@20.5,79.814 20.5,79.661 v1(20.507,79.654) ; U36.18@29.875,86.014 29.899,86.038 30.522,86.038 v1(30.546,86.062)
ESC4_HIPWM2: R124.P$1 U36.19 | length 21.1
  Int1 Layer w0.153: v1(20.502,75.107) 20.502,75.752 21.625,76.875 22.022,76.875 22.262,76.635 22.659,76.635 23.494,75.8 27.875,75.8 28.01,75.665 v1(28.054,75.665)
  Int2 Layer w0.153: v1(28.054,75.665) 28.054,75.884 28.115,75.944 28.115,77.751 30.207,79.843 30.207,82.313 29.962,82.558 29.962,84.862 30.526,85.426 v1(30.546,85.426)
  Bottom Layer w0.153: U36.19@29.875,85.514 29.895,85.494 30.478,85.494 v1(30.546,85.426)
  Bottom Layer w0.2: R124.P$1@20.5,75.313 20.502,75.312 v1(20.502,75.107)
ESC4_HIPWM3: R134.P$1 U36.20 | length 26.5
  Int1 Layer w0.153: v1(20.5,70.221) 21.046,69.675 22.1,69.675 22.325,69.9 26.625,69.9 26.825,69.7 v1(28.25,69.7)
  Int2 Layer w0.153: v1(28.25,69.7) 29.025,69.7 29.825,70.5 29.825,75.2 29.975,75.35 29.975,77.55 31.125,78.7 31.125,83.55 30.546,84.129 v1(30.546,84.84)
  Bottom Layer w0.153: U36.20@29.875,85.014 30.37,85.014 30.544,84.84 v1(30.546,84.84)
  Bottom Layer w0.2: v1(20.5,70.221) R134.P$1@20.5,70.788
ESC4_LOPWM1: R114.P$1 R118.P$2 U36.13 U39.2 | length 21.7
  Int1 Layer w0.153: v1(18.8,80.325) 19.064,80.061 19.9,79.225 20.8,79.225 22.21,80.635 24.41,80.635 24.575,80.8 27.011,80.8 v1(27.459,80.352)
  Int2 Layer w0.153: v1(27.459,80.352) 27.904,80.796 27.904,83.638 27.7,83.842 27.7,87.675 v1(27.659,87.716)
  Bottom Layer w0.153: v1(27.659,87.716) 27.716,87.66 27.716,87.173 U36.13@27.775,87.113
  Bottom Layer w0.2: v1(18.8,80.325) 18.838,80.287 18.838,80.087 19.095,79.83 19.484,79.83 R114.P$1@19.5,79.814 19.551,79.814 20.312,80.575 20.312,80.67 20.464,80.821 R118.P$2@20.5,80.821 20.5,81.125 20.675,81.3 U39.2@20.675,81.705
ESC4_LOPWM2: R122.P$1 R124.P$2 U36.14 U43.2 | length 25.5
  Int1 Layer w0.153: v1(18.772,75.857) 20.034,75.857 21.358,77.18 22.074,77.18 22.366,76.888 22.763,76.888 23.427,76.225 26.442,76.225 26.518,76.302 26.938,76.302 v1(26.973,76.336)
  Int2 Layer w0.153: v1(26.973,76.336) 26.998,76.362 26.998,76.79 27.075,76.867 27.075,78.385 28.209,79.519 28.209,83.128 28.712,83.631 28.712,86.019 28.275,86.457 28.275,87.686 v1(28.261,87.7)
  Bottom Layer w0.153: v1(28.261,87.7) 28.268,87.693 28.268,87.121 U36.14@28.275,87.113
  Bottom Layer w0.2: v1(18.772,75.857) 18.811,75.819 18.811,75.639 19.136,75.313 R122.P$1@19.5,75.313 19.551,75.313 20.312,76.075 20.312,76.17 20.464,76.321 R124.P$2@20.5,76.321 20.5,76.7 20.675,76.875 U43.2@20.675,77.205
ESC4_LOPWM3: R131.P$1 R134.P$2 U36.15 U47.2 | length 30.1
  Int1 Layer w0.153: v1(19.473,70.346) 19.777,70.65 20.678,70.65 21.071,70.257 21.322,70.006 21.981,70.006 22.2,70.225 25.375,70.225 26.057,70.907 v1(27.218,70.907)
  Int2 Layer w0.153: v1(27.218,70.907) 27.195,70.93 27.195,75.888 27.504,76.197 27.504,78.004 29.547,80.047 29.547,80.646 29.018,81.175 29.018,86.553 28.85,86.721 28.85,87.679 v1(28.864,87.692)
  Bottom Layer w0.153: U36.15@28.776,87.113 28.82,87.158 28.82,87.648 v1(28.864,87.692)
  Bottom Layer w0.2: v1(19.473,70.346) 19.486,70.36 19.486,70.786 R131.P$1@19.5,70.8 19.551,70.8 20.312,71.561 20.312,71.645 20.464,71.796 R134.P$2@20.5,71.796 20.5,72.125 20.675,72.3 U47.2@20.675,72.705
ESC4_MOUT1: R126.P$2 R141.P$2 R142.P$2 U36.6 | length 4.8
  Bottom Layer w0.153: R142.P$2@23.958,89.513 R126.P$2@23.958,88.463 23.958,87.36 24.136,87.183 24.136,87.151 24.333,86.953 24.333,85.767 24.586,85.514 U36.6@25.175,85.514
ESC4_MOUT2: R128.P$2 R143.P$2 R144.P$2 U36.7 | length 5
  Bottom Layer w0.153: U36.7@25.175,86.014 25.139,86.05 24.775,86.05 24.639,86.186 24.639,87.514 24.925,87.8 R144.P$2@24.925,88.43 R128.P$2@25.95,88.43 R143.P$2@26.975,88.43
ESC4_MOUT3: R132.P$2 R145.P$2 R146.P$2 U36.8 | length 9.1
  Int1 Layer w0.153: v1(25.067,86.976) 25.067,87.967 25.314,88.214 28.921,88.214 29.015,88.12 29.078,88.12 29.264,87.934 v1(29.984,87.934)
  Bottom Layer w0.153: v1(25.067,86.976) 25.075,86.968 25.075,86.933 25.175,86.833 U36.8@25.175,86.514 ; R146.P$2@28,88.43 28.013,88.418 28.963,88.418 R132.P$2@28.975,88.406 R145.P$2@30,88.406 29.992,88.397 29.992,87.942 v1(29.984,87.934)
ESC4_OUT1: C102.P$2 ESCPAD4.1 R126.P$1 U37.9 U39.7 | length 21.7
  Int1 Layer w0.153: v1(12.925,83.05) 15.5,83.05 17,84.55 18.65,84.55 19.475,83.725 20.63,83.725 v1(20.647,83.742)
  Int2 Layer w0.153: v1(20.647,83.742) 20.692,83.742 21.521,84.571 21.521,87.794 22.327,88.6 22.555,88.828 v1(22.555,88.916)
  Bottom Layer w0.153: v1@20.649,83.741 21.834,83.741 22.154,83.421 22.154,83.137 22.434,82.857 22.434,82.45 22.371,82.388 22.371,81.896 22.109,81.634 22.109,80.034 21.95,79.875 C102.P$2@21.575,79.875 ; v1(22.555,88.916) 22.555,88.913 22.95,88.517 R126.P$1@22.95,88.463
  Bottom Layer w0.2: v1(20.647,83.742) v1(20.647,83.742) 20.665,83.725 20.675,83.725 U39.7@20.675,83.222
  other v2: 11.625,81.164 12.525,81.164
ESC4_OUT2: C116.P$2 ESCPAD4.2 R128.P$1 U41.9 U43.7 | length 31.7
  Int1 Layer w0.153: v1(13.525,78.55) 15.725,78.55 17.175,80 18.4,80 19.167,79.233 v1(19.167,79.175) 19.422,78.92 20.97,78.92 21.325,79.275 21.325,79.3 21.6,79.575 24.725,79.575 v1(25.35,80.2)
  Int2 Layer w0.153: v1(25.35,80.2) 25.35,81.228 25.52,81.397 25.52,85.537 24.55,86.507 24.55,88.025 25.924,89.399 25.924,89.649 v1(25.95,89.675)
  Bottom Layer w0.153: 20.547,79.025 20.797,79.275 21.908,79.275 22.101,79.081 22.101,77.443 22.091,77.433 22.091,75.795 21.874,75.578 21.856,75.578 21.678,75.4 C116.P$2@21.6,75.4 ; R128.P$1@25.95,89.438 v1(25.95,89.675)
  Bottom Layer w0.2: v1(19.167,79.175) 19.176,79.165 20.407,79.165 20.547,79.025 20.558,79.025 20.675,78.908 U43.7@20.675,78.722
  other v2: 11.625,78.164 12.525,78.164
ESC4_OUT3: C118.P$2 ESCPAD4.3 R132.P$1 U45.9 U47.7 | length 39.4
  Int1 Layer w0.153: v1(13.05,74.075) 15.825,74.075 17.275,75.525 18.33,75.525 v1(19.155,74.7)
  Int1 Layer w0.2: v1(21.5,70.434) 21.5,70.738 23.287,72.525 25.914,72.525 27.616,74.227 27.616,74.287 27.713,74.383 v1(27.713,74.437)
  Int2 Layer w0.153: v1@27.713,74.439 27.5,74.651 27.5,75.762 27.809,76.071 27.809,77.878 29.852,79.921 29.852,80.839 29.349,81.342 29.349,88.985 v1(29.39,89.026)
  Bottom Layer w0.153: 20.564,74.544 20.82,74.8 21.35,74.8 22.034,74.116 22.034,71.12 21.882,70.967 21.579,70.967 C118.P$2@21.5,70.888 ; R132.P$1@28.975,89.413 29.015,89.413 29.39,89.038 v1(29.39,89.026)
  Bottom Layer w0.2: v1(19.155,74.7) 19.19,74.665 20.407,74.665 20.417,74.655 20.453,74.655 20.564,74.544 20.675,74.433 U47.7@20.675,74.222 ; v1(21.5,70.434) C118.P$2@21.5,70.888
  other v2: 11.625,75.164 12.525,75.164
ESC4_PWM: TP17.1 U1.11 U36.11 | length 48.4
  Int2 Layer w0.153: v1(25.769,42) 25.771,42.001 25.771,47.271 26.054,47.555 26.054,53.109 25.796,53.367 25.796,58.921 26.47,59.595 26.47,68.489 27.004,69.022 27.004,70.515 26.763,70.755 26.763,74.835 26.45,75.148 26.45,79.262 26.996,79.809 26.996,82.869 26.997,85.929 26.85,86.076 v1(26.85,87.696)
  Bottom Layer w0.153: v1(25.769,42) 25.813,41.957 25.813,41.221 U1.11@25.825,41.209 ; U36.11@26.775,87.113 26.775,87.554 26.85,87.629 v1(26.85,87.696)
ESC4_STM_NRST: J6.8 R112.P$1 U36.4 | length 28
  Top Layer w0.153: v1(19.51,65.203) 21.065,65.203 J6.8@21.075,65.193
  Int1 Layer w0.153: v1(19.51,65.203) 20.746,65.203 20.941,65.009 23.969,65.009 v1(24.275,65.316)
  Int2 Layer w0.153: v1(24.275,65.316) 24.275,65.383 24.417,65.525 24.417,74.733 23.777,75.373 23.777,81.576 24.825,82.625 24.825,84.2 v1(24.449,84.576)
  Bottom Layer w0.153: R112.P$1@23.95,84.638 24.387,84.638 v1(24.449,84.576) 24.512,84.513 U36.4@25.175,84.513
ESC4_STM_SWCLK: J6.4 U36.24 | length 25.9
  Top Layer w0.153: v1(19.413,67.814) 19.442,67.814 19.513,67.743 21.065,67.743 J6.4@21.075,67.733
  Int1 Layer w0.153: v1(19.413,67.814) 19.466,67.814 19.626,67.975 24.007,67.975 24.732,68.7 26.975,68.7 v1(27.5,69.225)
  Int2 Layer w0.153: v1(27.5,69.225) 27.5,70.583 27.646,70.73 27.646,70.897 28.15,71.401 28.15,75.155 28.483,75.488 28.483,77.683 30.514,79.714 30.514,82.437 30.391,82.561 v1(30.391,82.85)
  Bottom Layer w0.153: U36.24@29.875,83.013 30.187,83.013 30.35,82.85 v1(30.391,82.85)
ESC4_STM_SWDIO: J6.6 U36.23 | length 30.2
  Top Layer w0.25: v1(19.502,66.466) 21.073,66.466 J6.6@21.075,66.463
  Int1 Layer w0.153: v1(19.502,66.466) 19.515,66.479 22.094,66.479 22.209,66.364 26.091,66.364 26.899,65.556 v1(26.899,65.519)
  Int2 Layer w0.153: v1(26.899,65.519) 26.899,65.556 26.925,65.582 26.925,67.725 27.929,68.729 27.929,69.403 27.821,69.51 27.821,69.878 28.122,70.179 28.353,70.179 28.654,70.48 28.654,71.685 28.456,71.883 28.456,74.924 28.8,75.268 28.8,77.525 30.82,79.545 30.82,83.249 v1(30.546,83.522)
  Bottom Layer w0.153: U36.23@29.875,83.513 30.537,83.513 v1(30.546,83.522)
ESC4_STM_UARTRX: TP21.1 U36.30 | length 0.8
  Bottom Layer w0.153: v1(26.51,81.7) 26.51,81.78 26.699,81.969 26.699,82.338 U36.30@26.775,82.413
ESC4_STM_UARTTX: TP19.1 U36.29 | length 0.8
  Bottom Layer w0.153: U36.29@27.275,82.413 27.275,81.967 27.45,81.793 v1(27.45,81.725)
ESP_3V3: C11.P$1 C12.P$1 C13.P$1 C14.P$1 C15.P$1 C16.P$1 C17.P$1 C18.P$1 C19.P$1 C20.P$1 FB1.2 R6.P$1 R9.P$1 R10.P$1 R14.P$1 U1.1 U1.3 U1.4 U1.20 U1.27 U1.45 U1.51 U1.54 | length 63.7
  Top Layer w0.25: v1(20.15,34.15) 20.15,33 21.025,32.125 27.05,32.125 27.9,32.975 27.9,35.9 28.5,36.5 28.961,36.5 v1(29.807,37.345)
  Int1 Layer w0.2: v1(17.475,41.7) 17.475,40.75 19.821,38.404 v1(21.725,38.404)
  Int2 Layer w0.3: v1(17.475,41.7) 19.325,39.85 19.325,29.375 20.006,28.694 20.006,28.608 v1(20.025,28.589)
  Bottom Layer w0.2: v1(17.475,41.7) 17.488,41.687 18.042,41.687 R6.P$1@18.055,41.674 ; 19.7,35.8 19.864,35.963 U1.45@20.98,35.963 ; U1.51@20.98,38.363 20.99,38.373 21.695,38.373 v1(21.725,38.404) 21.725,39.402 21.563,39.563 ; U1.54@20.98,39.563 21.563,39.563 ; U1.1@21.825,41.209 21.825,40.517 ; 22.625,40.45 U1.3@22.625,41.209 ; U1.4@23.025,41.209 23.025,40.588 22.887,40.45 22.625,40.45 21.892,40.45 21.825,40.517 ; R14.P$1@26.075,31.629 26.127,31.629 27.173,32.675 R9.P$1@27.225,32.675 ; U1.27@27.87,35.563 28.452,35.563 28.55,35.465 ; U1.20@27.87,38.363 28.437,38.363 28.55,38.25 28.55,37.79 28.886,37.453 C20.P$1@29.215,37.453 29.223,37.446 29.652,37.446 29.752,37.345 v1(29.807,37.345) ; 21.563,39.563 21.825,39.825 21.825,40.517
  Bottom Layer w0.25: 29.68,35.27 29.948,35.538 29.948,36.802 29.807,36.943 v1(29.807,37.345)
  Bottom Layer w0.3: 19.7,35.8 19.6,35.7 19.6,34.725 20.424,33.901 C12.P$1@20.424,32.914 20.424,32.722 20.628,32.518 C17.P$1@21.965,32.518 C19.P$1@22.835,32.518 ; R9.P$1@27.225,32.675 R10.P$1@28.275,32.675 28.275,33.274 28.518,33.517 28.658,33.517 28.679,33.538 29.095,33.538 29.116,33.517 29.458,33.517 29.925,33.984 29.925,34.926 29.923,34.928 29.923,35.027 29.68,35.27 29.23,35.27 C18.P$1@29.225,35.275 ; 28.55,35.465 28.742,35.273 C18.P$1@29.225,35.273
ESP_DTR: Q1.6 R22.P$2 U8.28 | length 10.5
  Int1 Layer w0.2: v1(37.399,53.686) 40.861,53.686 v1(41.1,53.925)
  Bottom Layer w0.2: v1(37.399,53.686) 37.412,53.7 37.412,54.455 U8.28@37.425,54.468 ; v1(41.1,53.925) 41.138,53.887 41.138,53.794 41.602,53.33 41.606,53.33 42.334,52.602 42.669,52.602 42.847,52.425 43.225,52.425 43.425,52.225 43.425,50.4 43.088,50.063 Q1.6@42.6,50.063
ESP_EN: C1.P$1 Q1.3 R6.P$2 S1.2 U1.56 | length 56.8
  Top Layer w0.2: S1.2@16.8,18.283 18.508,18.283 18.9,18.675 18.9,19.35 19.475,19.925 C1.P$1@20.075,19.925 v1(20.075,20.425)
  Int1 Layer w0.153: v1(21.175,40.746) 22.378,40.746 23.25,41.618 23.25,42.543 24.027,43.32 28.58,43.32 29.6,42.3 30.525,42.3 30.878,41.947 38.133,41.947 39.748,43.562 v1(41.271,43.562)
  Int2 Layer w0.153: v1(20.075,20.425) 20.075,20.488 20.225,20.638 20.225,21.05 20.225,26.85 20.86,27.485 20.86,33.46 20.95,33.55 20.95,39.525 21.175,39.75 v1(21.175,40.746) ; v1(40.9,48.209) 40.853,48.162 40.853,48.036 40.778,47.961 40.778,44.055 v1(41.271,43.562)
  Bottom Layer w0.153: R6.P$2@19.063,41.674 19.063,41.623 20.322,40.363 U1.56@20.98,40.363 20.98,40.55 21.175,40.745 v1(21.175,40.746)
  Bottom Layer w0.2: v1(40.9,48.209) 41.255,48.209 Q1.3@41.3,48.163
ESP_IO0: C6.P$1 Q1.1 S2.2 U1.5 | length 62.8
  Top Layer w0.2: v1(43.233,20.817) 43.233,20.763 43.337,20.659 43.337,20.535 43.489,20.383 46.633,20.383 47.913,21.663 S2.2@49.25,21.663
  Int1 Layer w0.153: v1(23.679,42.358) 23.679,42.54 24.153,43.014 28.411,43.014 29.43,41.995 30.399,41.995 30.752,41.641 38.259,41.641 39.199,42.58 43.195,42.58 v1(43.219,42.604)
  Int2 Layer w0.153: v1(43.1,48.075) 43.391,47.784 43.391,45.966 43.219,45.794 v1(43.219,42.604) 43.219,41.569 42.985,41.335 42.985,36.278 42.68,35.973 42.68,34.355 38.625,30.3 38.625,25.459 38.633,25.451 38.633,25.096 38.625,25.088 38.625,21.968 39.218,21.375 42.675,21.375 v1(43.233,20.817)
  Bottom Layer w0.153: U1.5@23.425,41.209 23.425,41.908 23.632,42.115 23.632,42.301 23.679,42.348 v1(23.679,42.358)
  Bottom Layer w0.2: Q1.1@42.6,48.163 42.957,48.163 43.046,48.075 v1(43.1,48.075)
ESP_RTS: Q1.4 R21.P$1 U8.24 | length 6.6
  Bottom Layer w0.2: U8.24@39.425,54.468 39.425,53.85 40.122,53.153 41.281,53.153 41.456,52.978 41.46,52.978 41.682,52.756 41.682,51.616 41.53,51.464 R21.P$1@41.125,51.464 41.125,50.975 41.3,50.8 Q1.4@41.3,50.063

## Text inside footprints (layer, text, board x,y; h text height)
U9: Bottom Overlay "Z" at 23.853,28.425 h0.26 r270; Bottom Overlay "Y" at 23.853,29.535 h0.26 r270; Bottom Overlay "X" at 22.9,28.425 h0.26 r270
U10: tFinish "Default Padstyle: RX8Y26D0T" at 27.975,20.117 h0.79; tFinish "Heat Tab Padstyle: RX69Y63D0T" at 27.975,18.593 h0.79; tFinish "Alt 1 Padstyle: OX60Y90D30P" at 27.975,15.545 h0.79; tFinish "Alt 2 Padstyle: OX90Y60D30P" at 27.975,14.021 h0.79; tFinish "0.016in/0.4mm" at 23.225,29.375 h0.4; tFinish "0.014in/0.356mm" at 26.603,33.325 h0.4; tFinish "0.122in/3.099mm" at 27.975,35.23 h0.4; tFinish "0.122in/3.099mm" at 21.32,28.575 h0.4; tFinish "0.122in/3.099mm" at 33.36,28.575 h0.4; tFinish "0.122in/3.099mm" at 27.975,23.19 h0.4; Dimension "*" at 29.169,29.775 h0.79; Bottom Overlay "*" at 30.464,29.775 h0.79
U12: tFinish "0.122in/3.099mm" at 28.898,74.413 h0.4 r90; tFinish "0.122in/3.099mm" at 24.3,69.918 h0.4 r90; tFinish "0.02in/0.5mm" at 23.55,78.909 h0.4 r90; tFinish "0.02in/0.508mm" at 20.252,75.709 h0.4 r90; tFinish "0.122in/3.099mm" at 16.442,74.413 h0.4 r90; tFinish "Alt 2 Padstyle: OX90Y60D30P" at 40.074,74.414 h0.79 r90; tFinish "Alt 1 Padstyle: OX60Y90D30P" at 38.55,74.414 h0.79 r90; tFinish "Heat Tab Padstyle: RX69Y98D0T" at 35.502,74.414 h0.79 r90; tFinish "Default Padstyle: RX32Y10D0T" at 33.978,74.414 h0.79 r90
U14: tFinish "0.122in/3.099mm" at 35.597,74.313 h0.4 r90; tFinish "0.122in/3.099mm" at 31,69.818 h0.4 r90; tFinish "0.02in/0.5mm" at 30.25,78.809 h0.4 r90; tFinish "0.02in/0.508mm" at 26.952,75.609 h0.4 r90; tFinish "0.122in/3.099mm" at 23.142,74.314 h0.4 r90; tFinish "Alt 2 Padstyle: OX90Y60D30P" at 46.773,74.313 h0.79 r90; tFinish "Alt 1 Padstyle: OX60Y90D30P" at 45.249,74.313 h0.79 r90; tFinish "Heat Tab Padstyle: RX69Y98D0T" at 42.201,74.314 h0.79 r90; tFinish "Default Padstyle: RX32Y10D0T" at 40.677,74.313 h0.79 r90
U18: tFinish "Default Padstyle: RX14Y18D0T" at 33.275,34.027 h0.79; tFinish "Heat Tab Padstyle: RX118Y98D0T" at 33.275,32.503 h0.79; tFinish "Alt 1 Padstyle: OX60Y90D30P" at 33.275,29.455 h0.79; tFinish "Alt 2 Padstyle: OX90Y60D30P" at 33.275,27.931 h0.79; tFinish "0.026in/0.65mm" at 27.395,45.088 h0.4; tFinish "0.018in/0.457mm" at 30.672,49.344 h0.4; tFinish "0.223in/5.664mm" at 33.275,51.249 h0.4; tFinish "0.223in/5.664mm" at 25.49,43.463 h0.4; tFinish "0.239in/6.071mm" at 39.79,43.463 h0.4; tFinish "0.239in/6.071mm" at 33.275,36.948 h0.4; Dimension "*" at 35.65,45.738 h0.79; Bottom Overlay "*" at 36.742,45.738 h0.79
U20: tFinish "0.201in/5.105mm" at 33.713,93.063 h0.4 r90; tFinish "0.201in/5.105mm" at 27.525,99.401 h0.4 r90; tFinish "0.185in/4.7mm" at 27.525,85.456 h0.4 r90; tFinish "0.185in/4.7mm" at 20.067,93.063 h0.4 r90; tFinish "0.02in/0.5mm" at 26.025,87.361 h0.4 r90; tFinish "Alt 2 Padstyle: OX90Y60D30P" at 41.206,93.064 h0.79 r90; tFinish "Alt 1 Padstyle: OX60Y90D30P" at 39.682,93.064 h0.79 r90; tFinish "Heat Tab Padstyle: RX136Y136D0T" at 36.634,93.064 h0.79 r90; tFinish "Default Padstyle: RX12Y24D0T" at 35.11,93.064 h0.79 r90; Dimension "*" at 25.525,94.855 h0.79 r90; Bottom Overlay "*" at 25.144,96.353 h0.79 r90
U21: tFinish "0.201in/5.105mm" at 38.15,78.576 h0.4; tFinish "0.201in/5.105mm" at 44.488,84.763 h0.4; tFinish "0.185in/4.7mm" at 30.542,84.763 h0.4; tFinish "0.185in/4.7mm" at 38.15,92.221 h0.4; tFinish "0.02in/0.5mm" at 32.447,86.264 h0.4; tFinish "Alt 2 Padstyle: OX90Y60D30P" at 38.15,71.083 h0.79; tFinish "Alt 1 Padstyle: OX60Y90D30P" at 38.15,72.607 h0.79; tFinish "Heat Tab Padstyle: RX136Y136D0T" at 38.15,75.655 h0.79; tFinish "Default Padstyle: RX12Y24D0T" at 38.15,77.179 h0.79; Dimension "*" at 39.941,86.764 h0.79; Bottom Overlay "*" at 41.44,87.145 h0.79
U22: tFinish "0.122in/3.099mm" at 10.828,101.463 h0.4 r270; tFinish "0.122in/3.099mm" at 15.425,106.023 h0.4 r270; tFinish "0.026in/0.65mm" at 16.075,96.904 h0.4 r270; tFinish "0.015in/0.381mm" at 19.448,100.105 h0.4 r270; tFinish "0.122in/3.099mm" at 23.258,101.463 h0.4 r270
U23: tFinish "0.122in/3.099mm" at 46.028,73.463 h0.4 r270; tFinish "0.122in/3.099mm" at 50.625,78.022 h0.4 r270; tFinish "0.026in/0.65mm" at 51.275,68.904 h0.4 r270; tFinish "0.015in/0.381mm" at 54.648,72.104 h0.4 r270; tFinish "0.122in/3.099mm" at 58.458,73.463 h0.4 r270; tFinish "Alt 2 Padstyle: A2_Pad" at 34.852,73.463 h0.79 r270; tFinish "Alt 1 Padstyle: OX60Y90D30P" at 36.376,73.463 h0.79 r270; tFinish "Heat Tab Padstyle 2: RX22Y96D0T" at 40.694,73.463 h0.79 r270; tFinish "Heat Tab Padstyle: RX22Y96D0T" at 42.218,73.463 h0.79 r270; tFinish "Default Padstyle: RX27Y16D0T" at 40.948,73.463 h0.79 r270
U24: tFinish "0.079in/2mm" at 28.033,101.963 h0.4 r270; tFinish "0.019in/0.483mm" at 24.223,101.205 h0.4 r270; tFinish "0.02in/0.5mm" at 20.925,98.157 h0.4 r270; tFinish "0.079in/2.007mm" at 20.425,105.77 h0.4 r270; tFinish "0.079in/2.007mm" at 16.374,101.963 h0.4 r270
U25: tFinish "Default Padstyle: RX15Y10D0T" at 36.494,73.464 h0.79 r270; tFinish "Heat Tab Padstyle: RX34Y51D0T" at 34.97,73.464 h0.79 r270; tFinish "Alt 1 Padstyle: OX60Y90D30P" at 31.922,73.464 h0.79 r270; tFinish "Alt 2 Padstyle: OX90Y60D30P" at 30.398,73.464 h0.79 r270; tFinish "0.079in/2mm" at 53.233,73.464 h0.4 r270; tFinish "0.019in/0.483mm" at 49.423,72.705 h0.4 r270; tFinish "0.02in/0.5mm" at 46.125,69.657 h0.4 r270; tFinish "0.079in/2.007mm" at 45.625,77.271 h0.4 r270; tFinish "0.079in/2.007mm" at 41.574,73.464 h0.4 r270
U26: tFinish "0.122in/3.099mm" at 10.828,96.964 h0.4 r270; tFinish "0.122in/3.099mm" at 15.425,101.523 h0.4 r270; tFinish "0.026in/0.65mm" at 16.075,92.404 h0.4 r270; tFinish "0.015in/0.381mm" at 19.448,95.605 h0.4 r270; tFinish "0.122in/3.099mm" at 23.258,96.963 h0.4 r270
U27: tFinish "Default Padstyle: RX27Y16D0T" at 40.948,77.964 h0.79 r270; tFinish "Heat Tab Padstyle: RX22Y96D0T" at 42.218,77.964 h0.79 r270; tFinish "Heat Tab Padstyle 2: RX22Y96D0T" at 40.694,77.964 h0.79 r270; tFinish "Alt 1 Padstyle: OX60Y90D30P" at 36.376,77.964 h0.79 r270; tFinish "Alt 2 Padstyle: A2_Pad" at 34.852,77.964 h0.79 r270; tFinish "0.122in/3.099mm" at 58.458,77.964 h0.4 r270; tFinish "0.015in/0.381mm" at 54.648,76.605 h0.4 r270; tFinish "0.026in/0.65mm" at 51.275,73.405 h0.4 r270; tFinish "0.122in/3.099mm" at 50.625,82.523 h0.4 r270; tFinish "0.122in/3.099mm" at 46.028,77.964 h0.4 r270
U28: tFinish "0.079in/2.007mm" at 16.374,97.463 h0.4 r270; tFinish "0.079in/2.007mm" at 20.425,101.27 h0.4 r270; tFinish "0.02in/0.5mm" at 20.925,93.657 h0.4 r270; tFinish "0.019in/0.483mm" at 24.223,96.705 h0.4 r270; tFinish "0.079in/2mm" at 28.033,97.463 h0.4 r270
U29: tFinish "Default Padstyle: RX15Y10D0T" at 36.494,77.963 h0.79 r270; tFinish "Heat Tab Padstyle: RX34Y51D0T" at 34.97,77.963 h0.79 r270; tFinish "Alt 1 Padstyle: OX60Y90D30P" at 31.922,77.963 h0.79 r270; tFinish "Alt 2 Padstyle: OX90Y60D30P" at 30.398,77.963 h0.79 r270; tFinish "0.079in/2mm" at 53.233,77.963 h0.4 r270; tFinish "0.019in/0.483mm" at 49.423,77.204 h0.4 r270; tFinish "0.02in/0.5mm" at 46.125,74.156 h0.4 r270; tFinish "0.079in/2.007mm" at 45.625,81.77 h0.4 r270; tFinish "0.079in/2.007mm" at 41.574,77.963 h0.4 r270
U30: tFinish "0.122in/3.099mm" at 10.828,92.464 h0.4 r270; tFinish "0.122in/3.099mm" at 15.425,97.023 h0.4 r270; tFinish "0.026in/0.65mm" at 16.075,87.904 h0.4 r270; tFinish "0.015in/0.381mm" at 19.448,91.105 h0.4 r270; tFinish "0.122in/3.099mm" at 23.258,92.463 h0.4 r270
U31: tFinish "0.122in/3.099mm" at 46.028,82.463 h0.4 r270; tFinish "0.122in/3.099mm" at 50.625,87.022 h0.4 r270; tFinish "0.026in/0.65mm" at 51.275,77.904 h0.4 r270; tFinish "0.015in/0.381mm" at 54.648,81.104 h0.4 r270; tFinish "0.122in/3.099mm" at 58.458,82.463 h0.4 r270; tFinish "Alt 2 Padstyle: A2_Pad" at 34.852,82.463 h0.79 r270; tFinish "Alt 1 Padstyle: OX60Y90D30P" at 36.376,82.463 h0.79 r270; tFinish "Heat Tab Padstyle 2: RX22Y96D0T" at 40.694,82.463 h0.79 r270; tFinish "Heat Tab Padstyle: RX22Y96D0T" at 42.218,82.463 h0.79 r270; tFinish "Default Padstyle: RX27Y16D0T" at 40.948,82.463 h0.79 r270
U32: tFinish "0.079in/2.007mm" at 16.374,92.963 h0.4 r270; tFinish "0.079in/2.007mm" at 20.425,96.77 h0.4 r270; tFinish "0.02in/0.5mm" at 20.925,89.157 h0.4 r270; tFinish "0.019in/0.483mm" at 24.223,92.205 h0.4 r270; tFinish "0.079in/2mm" at 28.033,92.963 h0.4 r270